# KiCad board NX-J401-Adapter.kicad_pcb
title: NX Adapter Board; date: 2024-08-10; rev: 3; company: 971 Spartan Robotics
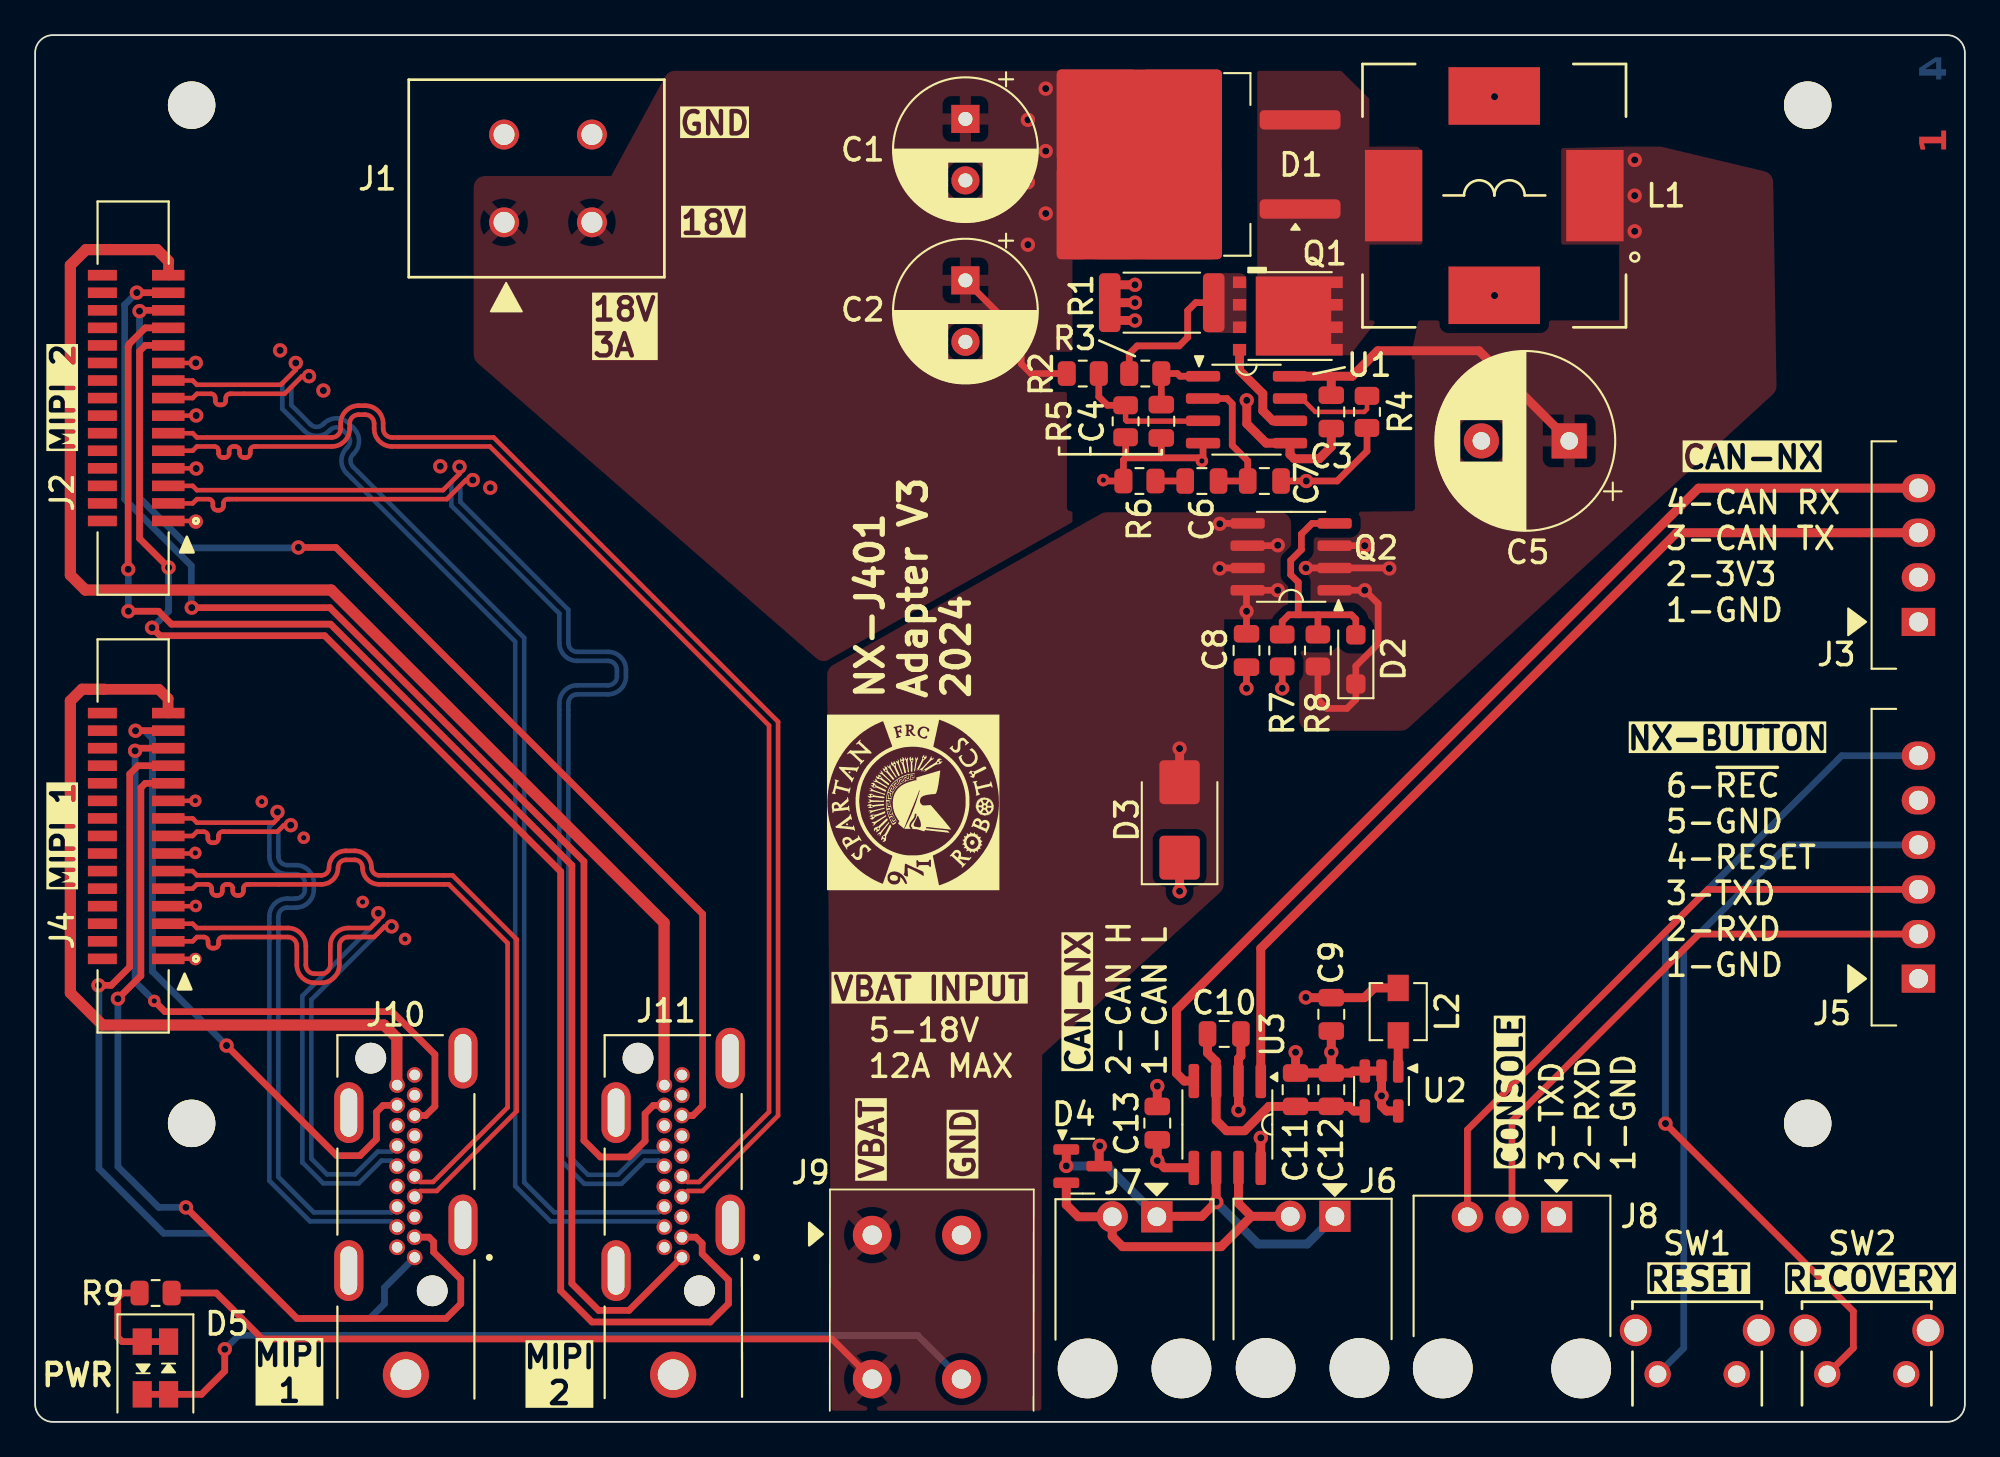
[diagram p0: board, top side]
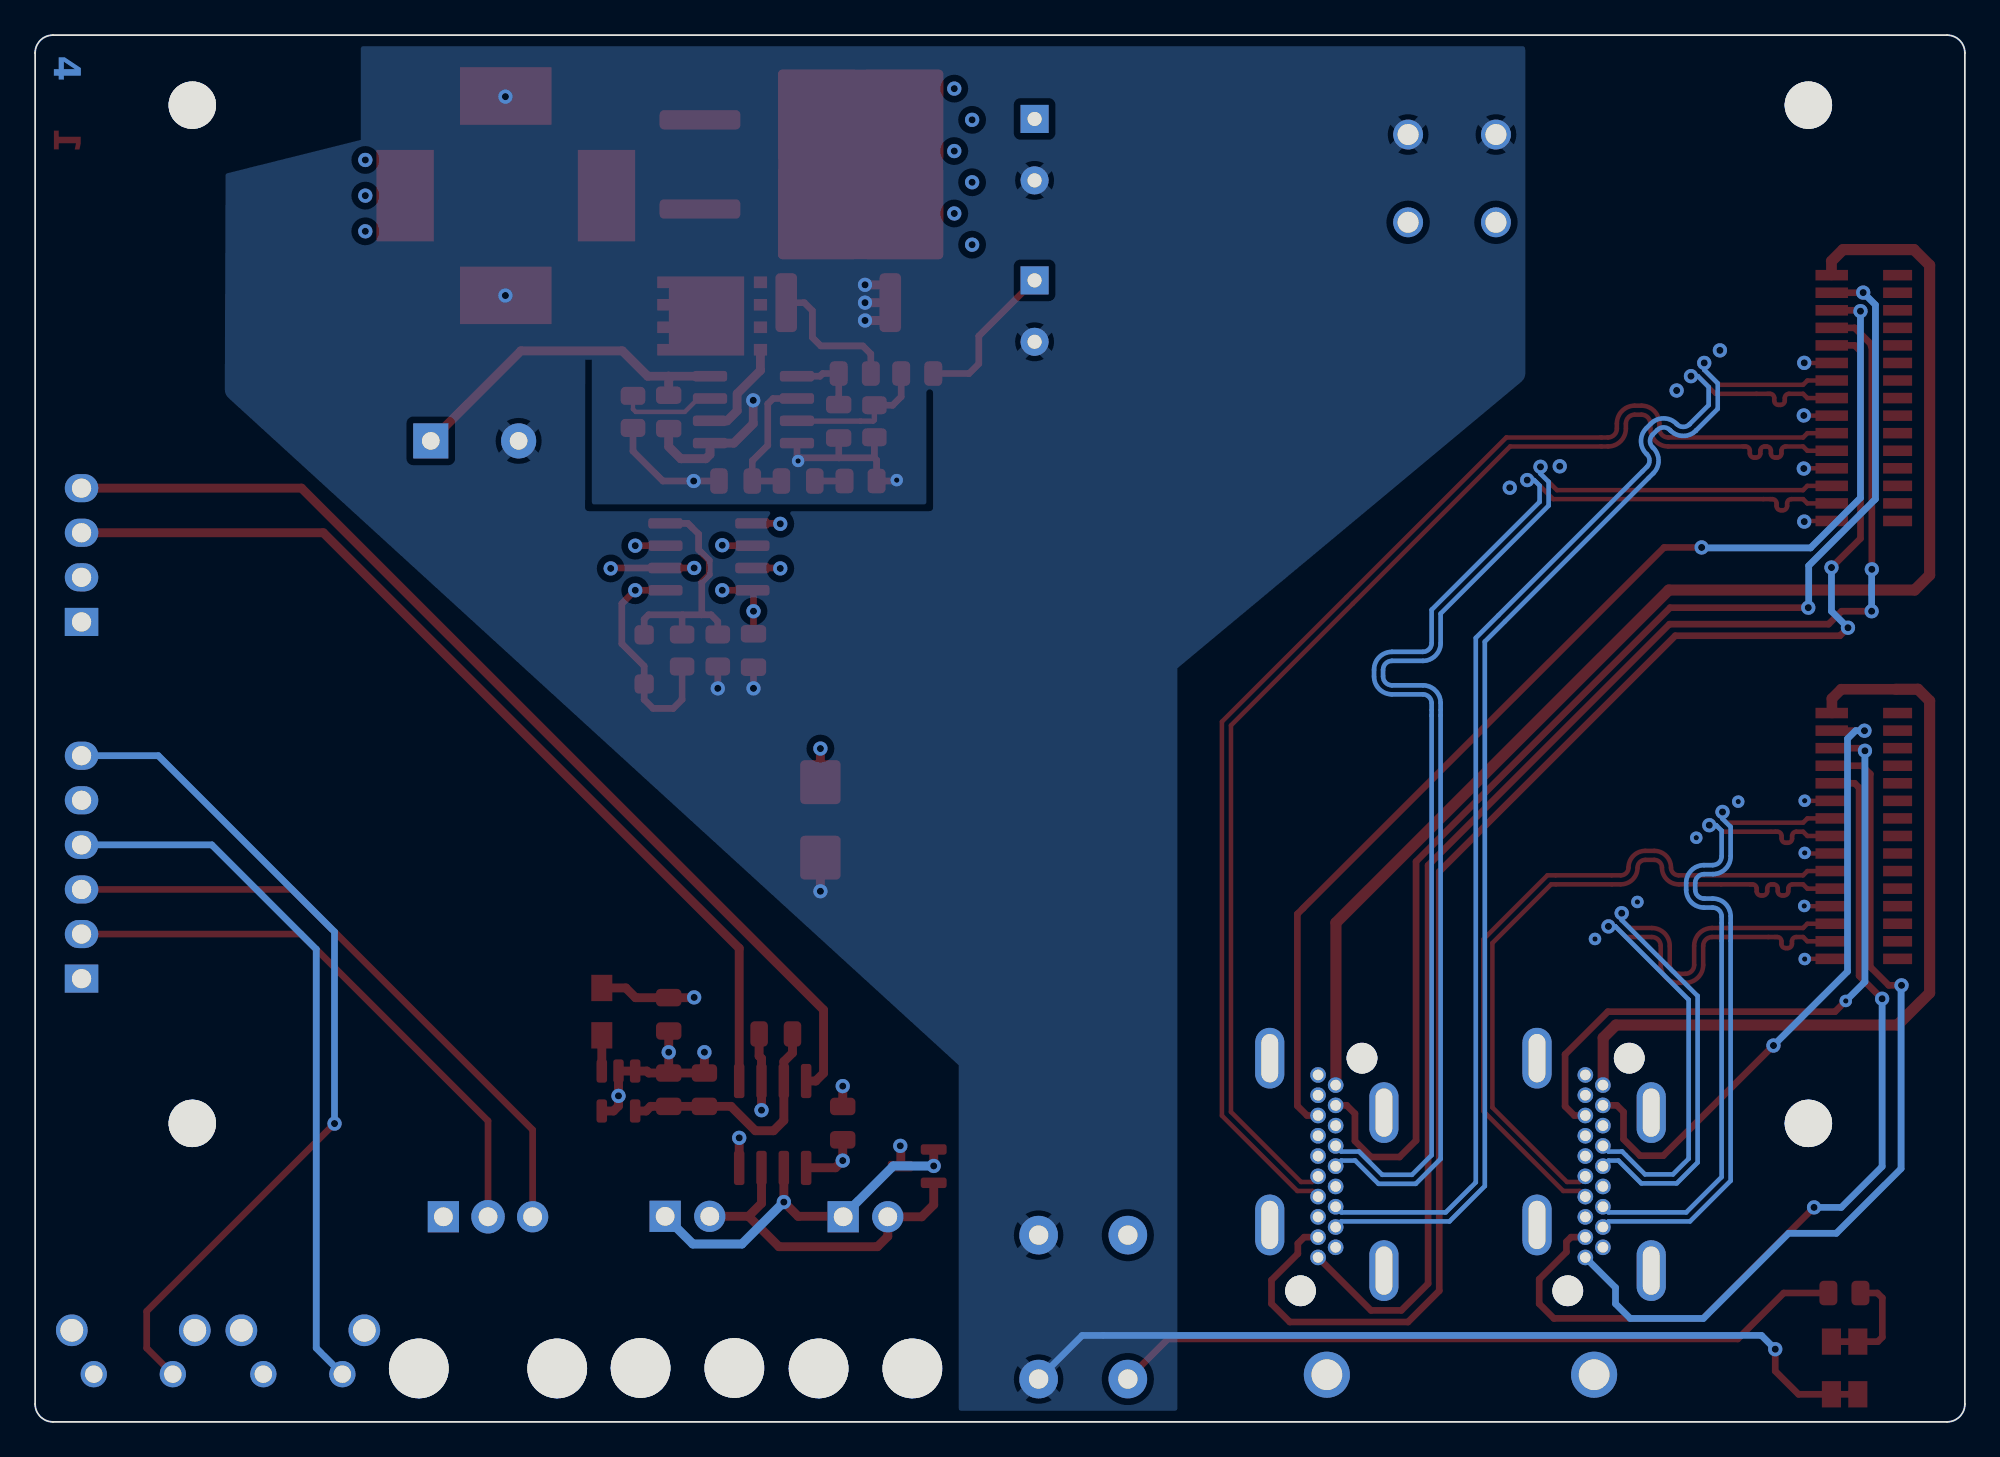
[diagram p1: board, bottom side, seen from below]

Outline 109.86 x 78.99 mm; copper layers: Top, In1.Cu, In2.Cu, Bottom. Coordinates in mm from the lower left corner of the outline.
Outline path: 0,77.98 0,1.02 arc(0.3,0.3) 1.02,0 108.84,0 arc(109.56,0.3) 109.86,1.02 109.86,77.98 arc(109.56,78.7) 108.84,78.99 1.02,78.99 arc(0.3,78.7) 0,77.98
Stack: Top 0.0351mm / dielectric 0.1069mm 3313 er 4.5 / dielectric 0.0993mm 3313 er 1 / In1.Cu 0.0152mm / dielectric 1.065mm 1.1mm H/HOZ er 4.5 / In2.Cu 0.0152mm / dielectric 0.0993mm 3313 er 4.5 / dielectric 0.1069mm 3313 er 1 / Bottom 0.0351mm

## Placement (name value [footprint] x y rotation side)
C1  82uF 35V  [CP_Radial_D8.0mm_P3.50mm]  52.96 74.22 270 top
C2  82uF 35V  [CP_Radial_D8.0mm_P3.50mm]  52.96 65.02 270 top
C3  0.22uF-10%-50V-0805  [C_0805_2012Metric]  73.79 57.53 270 top
C4  10pF-5%-50V-0805  [C_0805_2012Metric]  64.11 57 270 top
C5  330uF 35V  [CP_Radial_D10.0mm_P5.00mm]  87.33 55.88 180 top
C6  0.22uF-10%-50V-0805  [C_0805_2012Metric]  66.42 53.59 180 top
C7  0.01uF-10%-50V-0805  [C_0805_2012Metric]  69.98 53.59 0 top
C8  22uF-20%-25V-0805  [C_0805_2012Metric]  68.96 43.94 270 top
C9  10uF-10%-10V-0805  [C_0805_2012Metric]  73.79 23.22 270 top
C10  0.22uF-10%-50V-0805  [C_0805_2012Metric]  67.69 22.1 0 top
C11  22uF-20%-25V-0805  [C_0805_2012Metric]  71.75 18.92 90 top
C12  22uF-20%-25V-0805  [C_0805_2012Metric]  73.79 18.92 90 top
C13  0.22uF-10%-50V-0805  [C_0805_2012Metric]  63.88 17.02 90 top
D1  STPS20M100SG-TR  [TO-263-2]  64.36 71.63 180 top
D2  15V  [D_SOD-123F]  75.18 43.43 90 top
D3  15V  [D_SMB]  65.15 34.29 90 top
D4  PESD1CAN  [SOT-23]  59.64 14.57 0 top
D5  PWR  [LED-Dialight-5913001858F]  6.85 3.07 90 top
G***  LOGO  [Spartan Logo-FrontSilk]  49.99 35.28 90 top
H1  MountingHole  [MountingHole_2.7mm_M2.5]  8.91 75 0 top
H2  MountingHole  [MountingHole_2.7mm_M2.5]  100.91 75 0 top
H3  MountingHole  [MountingHole_2.7mm_M2.5]  8.91 17 0 top
H4  MountingHole  [MountingHole_2.7mm_M2.5]  100.91 17 0 top
J1  18V_OUT  [CONN_69140872_WRE]  26.7 68.33 90 top
J2  MIPI  [TE_1-1734248-5]  5.55 58.32 90 top
J3  CAN-NX  [70543-0003]  107.21 45.57 270 top
J4  MIPI  [TE_1-1734248-5]  5.55 33.38 90 top
J5  NX-BUTTON  [70543-0005]  107.21 25.25 270 top
J6  CAN-NX  [70555-0001]  72.72 11.71 270 top
J7  CAN-NX  [70555-0001]  62.59 11.68 270 top
J8  CONSOLE  [70555-0002]  84.07 11.68 270 top
J9  Power  [Wurth-691406510002B]  47.65 10.64 0 top
J10  HDMI  [SWITCHCRAFT_RAVHD19ETR]  21.11 10.5 0 top
J11  HDMI  [SWITCHCRAFT_RAVHD19ETR]  36.32 10.5 0 top
L1  4.7 uH-8m-20%  [INDUCTOR_IHLE-5050FH-Vishay]  83.06 69.85 90 top
L2  2.2uH-20%-46mR  [L_Vishay_IHLP-1212]  77.6 23.37 270 top
Q1  CSD16322Q5  [TI-SON5x6]  71.31 62.99 180 top
Q2  SI4483ADY-T1-GE3  [SOIC-8_3.9x4.9mm_P1.27mm]  71.5 49.28 180 top
R1  4.0m-1%-2512  [R_2512_6332Metric]  64.13 63.75 0 top
R2  14.0k-1%-0805  [R_0805_2012Metric]  59.64 59.72 180 top
R3  100R-1%-0805  [R_0805_2012Metric]  63.2 59.72 0 top
R4  59.0k-1%-0805  [R_0805_2012Metric]  75.82 57.53 90 top
R5  1.05k-1%-0805  [R_0805_2012Metric]  62.08 57 90 top
R6  1.05k-1%-0805  [R_0805_2012Metric]  62.87 53.59 0 top
R7  1.05k-1%-0805  [R_0805_2012Metric]  70.99 43.94 90 top
R8  20.0k-1%-0805  [R_0805_2012Metric]  73.02 43.94 270 top  (not fitted)
R9  4.99k-1%-0805  [R_0805_2012Metric]  6.86 7.34 0 top
SW1  RESET  [SW_TL1105VF100Q_EWI]  92.37 2.72 0 top
SW2  RECOVERY  [SW_TL1105VF100Q_EWI]  102.02 2.72 0 top
U1  LM3478MA  [SOIC-8_3.9x4.9mm_P1.27mm]  68.96 57.66 0 top
U2  TPS613222ADBVR  [SOT-23-5]  76.65 18.85 270 top
U3  MCP2558FD-H/SN  [SOIC-8_3.9x4.9mm_P1.27mm]  67.87 16.94 270 top

## Library data of the parts
C1 C2 = -: Datasheet: Components/Panasonic-AAB8000C250.pdf; MFG: Panasonic Electronic Components; MFG P/N: 35SEPF82M; DIST: Digikey; DIST P/N: P16345-ND; ki_fp_filters: CP_*
C3 C6 C10 C13 = -: Datasheet: Components/KEMET_C1002_X7R_SMD.pdf; MFG: KEMET; MFG P/N: C0805C224K5RAC7800; DIST: Digikey; DIST P/N: 399-C0805C224K5RACTUCT-ND; ki_fp_filters: C_*
C4 = -: MFG: Samsung Electro-Mechanics; MFG P/N: CL21C100CBANNNC; DIST: Digikey; DIST P/N: 1276-2561-1-ND; ki_fp_filters: C_*
C5 = -: Datasheet: Components/Rubicon-PZJ.pdf; MFG: Rubycon; MFG P/N: 35PZJ330M10X9; DIST: Digikey; DIST P/N: 1189-35PZJ330M10X9-ND; ki_fp_filters: CP_*
C7 = -: MFG: Samsung Electro-Mechanics; MFG P/N: CL21B103KBANNNC; DIST: Digikey; DIST P/N: 1276-1015-1-ND; ki_fp_filters: C_*
C8 C11 C12 = -: Description: 22 µF ±20% 25V Ceramic Capacitor X5R 0805 (2012 Metric); MFG: Samsung Electro-Mechanics; MFG P/N: CL21A226MAYNNNE; DIST: Digikey; DIST P/N: 1276-CL21A226MAYNNNECT-ND; ki_fp_filters: C_*
C9 = -: Datasheet: Components/Kemet-C0805C106K8PACTU.pdf; MFG: Kemet; MFG P/N: C0805C106K8PAC7800; DIST: Digikey; DIST P/N: 399-C0805C106K8PAC7800CT-ND; ki_fp_filters: C_*
D1 = -: Datasheet: Components/ST-STPS20M100SG.pdf; DIST: Digikey; DIST P/N: 497-10993-1-ND; MFG: STmicroelectronics; ki_fp_filters: TO-???* *_Diode_* *SingleDiode* D_*
D2 = -: Datasheet: Components/Nexperia-BZT52H_SER.pdf; MFG: Nexperia; MFG P/N: BZT52H-C15,115; DIST: Digikey; DIST P/N: 1727-3593-1-ND; ki_fp_filters: TO-???* *_Diode_* *SingleDiode* D_*
D3 = -: Datasheet: Components/Littelfuse-SZ1SMB15CAT3G.pdf; MFG: Littelfuse; MFG P/N: SZ1SMB15CAT3G; DIST: Digikey; DIST P/N: F11544CT-ND; ki_fp_filters: TO-???* *_Diode_* *SingleDiode* D_*
D4 = -: Datasheet: Components/Nexperia-PESD1CAN.pdf; MFG: Nexperia; MFG P/N: PESD1CAN,215; DIST: Digkey; DIST P/N: 1727-3817-1-ND
D5 = -: Datasheet: Components/Dialight-C18340B.pdf; MFG: Dialight; MFG P/N: 5913001858F; DIST: Digikey; DIST P/N: 350-5913001858FCT-ND; ki_fp_filters: LED* LED_SMD:* LED_THT:*
H1-H4 = -: ki_fp_filters: MountingHole*
J1 = -: Datasheet: Components/Wurth-691408720002B.pdf; MFG: Würth Elektronik; MFG P/N: 691408720002B; DIST: Digikey; DIST P/N: 732-691408720002B-ND; ki_fp_filters: Connector*:*_1x??_*
J2 J4 = -: Datasheet: Components/TE-FPC-1734248_E1__.pdf; MFG: TE Connectivity; MFG P/N: 1-1734248-5; DIST: Digikey; DIST P/N: A101418CT-ND; ki_fp_filters: Connector*:*_1x??_*
J3 = -: Datasheet: Components/Molex-705430001_sd.pdf; MFG: Molex; MFG P/N: 70543-0003; DIST: Digikey; DIST P/N: WM4802-ND; ki_fp_filters: Connector*:*_1x??_*
J5 = -: Datasheet: Components/Molex-705430001_sd.pdf; Description: Generic connector, single row, 01x06, script generated; MFG: Molex; MFG P/N: 0705430040; DIST: Digikey; DIST P/N: WM4828-ND; ki_fp_filters: Connector*:*_1x??_*
J6 J7 = -: Datasheet: Components/Molex-70555-0001.pdf; MFG: Molex; MFG P/N: 0705550036; DIST: Digikey; DIST P/N: WM4175-ND; ki_fp_filters: Connector*:*_1x??_*
J8 = -: Datasheet: Components/Molex-70555-0001.pdf; Description: Generic connector, single row, 01x03, script generated; MFG: Molex; MFG P/N: 0705550037; DIST: Digikey; DIST P/N: WM4176-ND; ki_fp_filters: Connector*:*_1x??_*
J9 = -: Datasheet: Components/Wurth-0691406510002B.pdf; MFG: Wurth; MFG P/N: 691406510002B; DIST: Digikey; DIST P/N: 732-691406510002B-ND; ki_fp_filters: Connector*:*_1x??_*
J10 J11 = -: Datasheet: Components/Switchcraft-RAVHD19ETR_CD.pdf; Description: HDMI HDMI 2.0 Receptacle Connector 19 Position Through Hole, Right Angle; DIST: Digikey; DIST P/N: 137-RAVHD19ECT-ND; MFG: Switchcraft; MFG P/N: RAVHD19ETR; ki_fp_filters: HDMI*A*
L1 = -: Datasheet: Components/Vishay-ihle-5050fh-5a.pdf; Description: 4.7 µH Shielded Inductor 18.5 A 7.93mOhm Max; MFG: Vishay Dale; MFG P/N: IHLE5050FHER4R7M5A; DIST: Mouser; DIST P/N: 70-IHLE5050FHR4R7M5A; ki_fp_filters: Choke_* *Coil* Inductor_* L_*
L2 = -: Datasheet: Components/Vishay-IHLP1212BZER2R2M11.pdf; MFG: Vishay; MFG P/N: IHLP1212BZER2R2M11; DIST: Digikey; DIST P/N: 541-1322-1-ND; ki_fp_filters: Choke_* *Coil* Inductor_* L_*
Q1 = -: Datasheet: Components/TI-csd16322q5.pdf; Description: N-Channel 25 V 21A (Ta), 97A (Tc) 3.1W (Ta) Surface Mount 8-VSON-CLIP (5x6); MFG: Texas Instruments; DIST: Digikey; DIST P/N: 296-25112-1-ND
Q2 = -: Datasheet: Components/Vishay-si4483ad.pdf; MFG: Vishay; DIST: Digikey; DIST P/N: SI4483ADY-T1-GE3CT-ND
R1 = -: Datasheet: Components/Bourns-cre.pdf; MFG: Bourns Inc.; MFG P/N: CRE2512-FZ-R004E-3; DIST: Digikey; DIST P/N: CRE2512-FZ-R004E-3CT-ND; ki_fp_filters: R_*
R2 = -: Datasheet: Components/YageoPYu-RC_Group_51_RoHS_L_12.pdf; MFG: Yageo; MFG P/N: RC0805FR-0714KL; DIST: Digikey; DIST P/N: 311-14.0KCRCT-ND; ki_fp_filters: R_*
R3 = -: Datasheet: Components/YageoPYu-RC_Group_51_RoHS_L_12.pdf; MFG: Yageo; MFG P/N: RC0805FR-07100RL; DIST: Digikey; DIST P/N: 311-100CRCT-ND; ki_fp_filters: R_*
R4 = -: Datasheet: Components/YageoPYu-RC_Group_51_RoHS_L_12.pdf; MFG: Yageo; MFG P/N: RC0805FR-0759KL; DIST: Digikey; DIST P/N: 311-59.0KCRCT-ND; ki_fp_filters: R_*
R5-R7 = -: Datasheet: Components/YageoPYu-RC_Group_51_RoHS_L_12.pdf; MFG: Yageo; MFG P/N: RC0805FR-071K05L; DIST: Digikey; DIST P/N: 311-1.05KCRCT-ND; ki_fp_filters: R_*
R8 = -: Datasheet: Components/YageoPYu-RC_Group_51_RoHS_L_12.pdf; MFG: Yageo; MFG P/N: RC0805FR-0720KL; DIST: Digikey; DIST P/N: 311-20.0KCRCT-ND; ki_fp_filters: R_*
R9 = -: Datasheet: Components/YageoPYu-RC_Group_51_RoHS_L_12.pdf; MFG: Yageo; MFG P/N: RC0805FR-07499RL; DIST: Digikey; DIST P/N: 311-499CRCT-ND; ki_fp_filters: R_*
SW1 SW2 = -: Datasheet: Components/E-SWITCH-tl1105vf100q-drawing.pdf; DIST: Digikey; DIST P/N: EG2507-ND; MFG: E-Switch; MFG P/N: TL1105VF100Q
U1 = -: Datasheet: Components/TI-lm3478.pdf; MFG: Texas Instruments; MFG P/N: LM3478MAX/NOPB; DIST: Digikey; DIST P/N: 296-38111-1-ND; ki_fp_filters: SOIC-8*3.9x4.9mm_P1.27mm*
U2 = -: Datasheet: Components/TI-tps613222.pdf; MFG: Texas Instruments; DIST: Digikey; DIST P/N: 296-50503-1-ND
U3 = -: Datasheet: Components/Microchip-MCP2558.pdf; MFG: Microchip; DIST: Digikey; DIST P/N: MCP2558FD-H/SN-ND; ki_fp_filters: SOIC*3.9x4.9mm*P1.27mm*

## Footprints (pads in the part's own frame, mm; a bottom-side part is the same pattern mirrored in y, then rotated)
70543-0003
  rect 1.6x1.905 hole 1.092: 1(0,0)
  oval 1.6x1.905 hole 1.092: 2(-2.54,0) 3(-5.08,0) 4(-7.62,0)
70543-0005
  rect 1.6x1.905 hole 1.092: 1(0,0)
  oval 1.6x1.905 hole 1.092: 2(-2.54,0) 3(-5.08,0) 4(-7.62,0) 5(-10.16,0) 6(-12.7,0)
70555-0001
  round 3.4 hole 3.4 unplated: (8.64,2.67) (8.64,-2.67)
  rect 1.778x1.778 hole 1.067: 1(0,1.27)
  round 1.778 hole 1.067: 2(0,-1.27)
70555-0002
  round 3.4 hole 3.4 unplated: (8.64,3.94) (8.64,-3.94)
  rect 1.778x1.778 hole 1.067: 1(0,2.54)
  round 1.905 hole 1.067: 2(0,0)
  round 1.778 hole 1.067: 3(0,-2.54)
C_0805_2012Metric
  rrect 1x1.45 smd: 1(-0.95,0) 2(0.95,0)
CONN_69140872_WRE
  round 1.702 hole 1.194: 1(0,0) 1(0,-5) 2(5,0) 2(5,-5)
CP_Radial_D8.0mm_P3.50mm
  rect 1.6x1.6 hole 0.8: 1(0,0)
  round 1.6 hole 0.8: 2(3.5,0)
CP_Radial_D10.0mm_P5.00mm
  rect 2x2 hole 1: 1(0,0)
  round 2 hole 1: 2(5,0)
D_SMB
  rrect 2.5x2.3 smd: 1(-2.15,0) 2(2.15,0)
D_SOD-123F
  rrect 1.1x1.1 smd: 1(-1.4,0) 2(1.4,0)
INDUCTOR_IHLE-5050FH-Vishay
  rect 5.21x3.265 smd: 1(0,-5.732) 2(0,5.732)
  rect 3.275x5.21 smd: 3(-5.678,0) 4(5.678,0)
L_Vishay_IHLP-1212
  rect 1.5x1.2 smd: 1(-1.35,0) 2(1.35,0)
LED-Dialight-5913001858F
  rect 1.5x1.09 smd: 1(1.5,-0.75) 2(-1.5,-0.75) 3(1.5,0.75) 4(-1.5,0.75)
MountingHole_2.7mm_M2.5
  round 2.7 hole 2.7 unplated: (0,0)
R_0805_2012Metric
  rrect 1.025x1.4 smd: 1(-0.912,0) 2(0.912,0)
R_2512_6332Metric
  rrect 1.225x3.35 smd: 1(-2.962,0) 2(2.962,0)
SOIC-8_3.9x4.9mm_P1.27mm
  rrect 1.95x0.6 smd: 1(-2.475,1.905) 2(-2.475,0.635) 3(-2.475,-0.635) 4(-2.475,-1.905) 5(2.475,-1.905) 6(2.475,-0.635) 7(2.475,0.635) 8(2.475,1.905)
SOT-23
  rrect 1.475x0.6 smd: 1(-0.938,0.95) 2(-0.938,-0.95) 3(0.938,0)
SOT-23-5
  rrect 1.325x0.6 smd: 1(-1.137,0.95) 2(-1.137,0) 3(-1.137,-0.95) 4(1.137,-0.95) 5(1.137,0.95)
SW_TL1105VF100Q_EWI
  round 1.499 hole 0.991: 1(0,0) 2(4.5,0)
  round 1.803 hole 1.295: 3(-1.25,2.5) 4(5.75,2.5)
SWITCHCRAFT_RAVHD19ETR
  round 1.75 hole 1.75 unplated: (-2,10.22) (1.5,-3.03)
  round 0.889 hole 0.6: 1(0.5,-1.13) 2(-0.5,-0.552) 3(0.5,0.025) 4(-0.5,0.603) 5(0.5,1.18) 6(-0.5,1.758) 7(0.5,2.335) 8(-0.5,2.913) 9(0.5,3.49) 10(-0.5,4.067) 11(0.5,4.645) 12(-0.5,5.223) 13(0.5,5.8) 14(-0.5,6.378) 15(0.5,6.955) 16(-0.5,7.532) 17(0.5,8.11) 18(-0.5,8.688) 19(0.5,9.265)
  oval 1.66x3.46 hole 0.95x2.75: SH(-3.25,7.12) SH(-3.25,-1.88) SH(3.25,10.22) SH(3.25,0.72)
  round 2.625 hole 1.75: SH(0,-7.81)
TE_1-1734248-5
  rect 0.6x1.85 smd: 1(-7,-2.025) 2(-6,-2.025) 3(-5,-2.025) 4(-4,-2.025) 5(-3,-2.025) 6(-2,-2.025) 7(-1,-2.025) 8(0,-2.025) 9(1,-2.025) 10(2,-2.025) 11(3,-2.025) 12(4,-2.025) 13(5,-2.025) 14(6,-2.025) 15(7,-2.025)
  rect 0.6x1.65 smd: 1_1(-7,1.725) 2_1(-6,1.725) 3_1(-5,1.725) 4_1(-4,1.725) 5_1(-3,1.725) 6_1(-2,1.725) 7_1(-1,1.725) 8_1(0,1.725) 9_1(1,1.725) 10_1(2,1.725) 11_1(3,1.725) 12_1(4,1.725) 13_1(5,1.725) 14_1(6,1.725) 15_1(7,1.725)
TI-SON5x6
  rect 0.75x0.66 smd: 1(2.75,-1.92) 2(2.75,-0.64) 3(2.75,0.64) 4(2.75,1.92)
  custom 4.95x4.5 smd: 5(-0.32,0)
TO-263-2
  rrect 4.6x1.1 smd: 1(-7.65,2.54) 3(-7.65,-2.54)
  rrect 4.55x5.25 smd: 2(-0.925,2.775) 2(-0.925,-2.775) 2(3.925,2.775) 2(3.925,-2.775)
  rrect 9.4x10.8 smd: 2(1.5,0)
Wurth-691406510002B
  round 2.2 hole 1.1: 1(0,0) 1(0,-8.2) 2(5.08,0) 2(5.08,-8.2)

## Nets
/3V3_CAN: C9.1 C13.1 J3.2 L2.1 U3.5
/+18V_OUT: C1.1 C2.1 D1.2 J1.1 R2.2
/MIPI-HDMI-1/GND_MIPI: J4.1 J4.4 J4.7 J4.10 J10.2 J10.5 J10.8 J10.11 J10.17 J10.SH
/MIPI-HDMI-2/GND_MIPI: J2.1 J2.4 J2.7 J2.10 J11.2 J11.5 J11.8 J11.11 J11.17 J11.SH
/NX CAN/+5V: C10.1 C11.1 C12.1 U2.4 U3.3
GND: C1.2 C2.2 C3.2 C4.2 C5.2 C7.2 C8.2 D3.1 D5.2 D5.4 J1.2 J9.2 L1.3 L1.4 R1.1 R4.1 R5.1 R6.1 R7.1 U1.4 U1.5
GNDD: C9.2 C10.2 C11.2 C12.2 C13.2 D4.3 J3.1 U2.2 U2.3 U2.5 U3.2 U3.8
/CAN_H: D4.2 J6.2 J7.2 U3.7
/CAN_L: D4.1 J6.1 J7.1 U3.6
/CAN_RX: J3.4 U3.4
/CAN_TX: J3.3 U3.1
/MIPI-HDMI-1/CAM_3V3: J4.15 J10.18
/MIPI-HDMI-1/CAM_CK_N: J4.8 J10.6
/MIPI-HDMI-1/CAM_CK_P: J4.9 J10.4
/MIPI-HDMI-1/CAM_D0_N: J4.2 J10.12
/MIPI-HDMI-1/CAM_D0_P: J4.3 J10.10
/MIPI-HDMI-1/CAM_D1_N: J4.5 J10.9
/MIPI-HDMI-1/CAM_D1_P: J4.6 J10.7
/MIPI-HDMI-1/CAM_MCLK: J4.12 J10.1
/MIPI-HDMI-1/CAM_SCL: J4.13 J10.15
/MIPI-HDMI-1/CAM_SDA: J4.14 J10.16
/MIPI-HDMI-1/PWR_DN_LS: J4.11 J10.3
/MIPI-HDMI-2/CAM_3V3: J2.15 J11.18
/MIPI-HDMI-2/CAM_CK_N: J2.8 J11.6
/MIPI-HDMI-2/CAM_CK_P: J2.9 J11.4
/MIPI-HDMI-2/CAM_D0_N: J2.2 J11.12
/MIPI-HDMI-2/CAM_D0_P: J2.3 J11.10
/MIPI-HDMI-2/CAM_D1_N: J2.5 J11.9
/MIPI-HDMI-2/CAM_D1_P: J2.6 J11.7
/MIPI-HDMI-2/CAM_MCLK: J2.12 J11.1
/MIPI-HDMI-2/CAM_SCL: J2.13 J11.15
/MIPI-HDMI-2/CAM_SDA: J2.14 J11.16
/MIPI-HDMI-2/PWR_DN_LS: J2.11 J11.3
/Power Supply/Q_S: Q1.1 Q1.2 Q1.3 R1.2 R3.1
/Power Supply/SW: D1.1 D1.3 L1.2 Q1.5
/Power Supply/V_IN: C3.1 C5.1 D2.1 L1.1 Q2.1 Q2.2 Q2.3 R8.2 U1.8
/RTN: J5.1 J5.5 J8.1 SW1.2 SW2.2
/UART2_RXD: J5.2 J8.2
/UART2_TXD: J5.3 J8.3
/V_BAT: C8.1 D3.2 J9.1 Q2.5 Q2.6 Q2.7 Q2.8 R9.2
/~{REC}: J5.6 SW2.1
/~{SYS_RESET}: J5.4 SW1.1
Net-(C6-Pad2): C6.2 R6.2
Net-(D2-A): D2.2 Q2.4 R7.2 R8.1
Net-(D5A-Red-K): D5.1 D5.3 R9.1
Net-(Q1-G): Q1.4 U1.6
Net-(U1-COMP): C6.1 C7.1 U1.2
Net-(U1-FA/SD): R4.2 U1.7
Net-(U1-FB): R2.1 R5.2 U1.3
Net-(U1-I_{SEN}): C4.1 R3.2 U1.1
Net-(U2-SW): L2.2 U2.1

Pads without a net: J2 1_1 2_1 3_1 4_1 5_1 6_1 7_1 8_1 9_1 10_1 11_1 12_1 13_1 14_1 15_1; J4 1_1 2_1 3_1 4_1 5_1 6_1 7_1 8_1 9_1 10_1 11_1 12_1 13_1 14_1 15_1; J10 13 14 19; J11 13 14 19; SW1 3 4; SW2 3 4

## Via types
v1: diameter 0.813, hole 0.406, Top to Bottom, 72 vias
v2: diameter 0.711, hole 0.305, Top to Bottom, 11 vias

## Routing (per net, layer and track width the routed paths; a pad name or vN(x,y) marks a point on that pad's centre or on a via; arc(x,y) is an arc through that point)
/3V3_CAN: length 8.9
  Top w0.508: C13.1 v1(63.88,14.88) 64.29,14.48 65.95,14.48 U3.5 ; v1(72.34,24.18) 72.35,24.17 C9.1 75.68,24.17 76.23,24.72 L2.1
/+18V_OUT: length 8.9
  Top w0.381: C2.1 56.13,61.85 56.13,60.27 56.69,59.72 R2.2
  vias: v1(56.51,74.17) v1(56.51,70.61) v1(56.51,67.06) v1(57.53,75.95) v1(57.53,72.39) v1(57.53,68.83)
/MIPI-HDMI-1/GND_MIPI: length 6.2
  Top w0.254: J4.10 9.11,35.38 v2(9.12,35.38) ; J4.1 9.11,26.38 v2(9.12,26.37) ; J4.4 9.13,29.38 v2(9.14,29.39) ; J4.7 9.08,32.38 v2(9.12,32.41)
  vias: v2(12.9,35.33) v2(15.29,33.27) v2(18.64,29.62) v2(21.06,27.51)
/MIPI-HDMI-2/GND_MIPI: length 6.3
  Top w0.254: J2.4 9.16,54.32 v1(9.17,54.31) ; J2.1 9.11,51.32 v1(9.14,51.28) ; J2.7 9.16,57.32 v1(9.17,57.33) ; J2.10 9.14,60.32 v1(9.14,60.32)
  vias: v1(13.94,61.04) v1(16.41,58.75) v1(23.06,54.43) v1(25.91,53.21)
/NX CAN/+5V: length 14.5
  Top w0.508: C10.1 66.74,21.02 67.23,20.52 U3.3 67.23,17.17 67.82,16.59 68.85,16.59 70.24,17.97 74.81,17.97 75.08,17.71 U2.4
GND: length 86.4
  Top w0.254: 61.17,64.35 R1.1 61.17,63.16 61.59,62.74 ; 61.17,64.35 61.34,64.52 ; 61.17,64.35 61.59,64.77
  Top w0.381: 64.11,54.91 66.24,54.91 v2(66.42,54.74) ; 64.11,54.91 C4.2 ; 64.11,54.91 62.08,54.91 ; C7.2 v1(72.36,53.59) 74.12,53.59 75.82,55.3 R4.1 ; R7.1 v1(70.99,41.78) ; R5.1 62.08,54.91 ; 62.08,54.91 61.95,54.79 R6.1 60.86,53.59 v2(60.81,53.64) ; C8.2 v1(68.96,41.78) ; U1.4 66.49,54.8 v2(66.42,54.74) ; v2(66.42,54.74) 66.42,54.91 ; D5.4 D5.2 9.47,1.57 10.79,2.9 v1(10.79,4.14)
  Top w0.508: v1(68.97,58.19) 68.97,56.86 70.08,55.75 U1.5 71.44,55.11 71.68,54.86 73.1,54.86 73.79,55.55 C3.2 ; 61.59,64.77 v1(62.61,64.77) ; R1.1 v1(62.61,63.75) ; 61.59,62.74 v1(62.61,62.74) ; D3.1 v1(65.15,30.23)
  Top w0.762: v1(83.08,64.16) 83.07,64.17 L1.3 ; v1(83.08,75.49) 83.06,75.51 L1.4
  Bottom w0.381: J9.2 50.24,4.93 11.58,4.93 v1(10.79,4.14)
GNDD: length 20
  Top w0.508: v1(71.75,21.06) C11.2 C12.2 ; C12.2 v1(73.79,21.06) C9.2 ; C12.2 74.92,19.87 75.03,19.98 U2.3 U2.2 v1(76.65,18.57) 76.65,17.99 76.93,17.71 U2.5 ; D4.3 60.58,15.69 v1(60.6,15.72) ; C13.2 v1(63.88,19.13) ; v1(68.5,17.75) U3.2 68.5,20.7 68.64,20.84 C10.2 ; U3.8 v1(69.77,16.18)
/CAN_H: length 19.4
  Top w0.508: 69.24,11.71 J6.2 ; 69.24,11.71 68.5,12.45 U3.7 ; 69.24,11.71 67.51,9.98 61.9,9.98 61.32,10.57 J7.2 59.39,11.68 58.7,12.37 D4.2
/CAN_L: length 21.3
  Top w0.508: v1(58.7,14.58) D4.1 ; U3.6 v1(67.23,12.52) 66.42,11.71 63.87,11.71
  Bottom w0.508: v1(58.7,14.58) 61,14.58 63.87,11.71 ; v1(67.23,12.52) 69.62,10.13 72.42,10.13 J6.1
/CAN_RX: length 59.3
  Top w0.508: U3.4 65.42,19.42 64.97,19.86 64.97,23.47 94.69,53.19 J3.4
/CAN_TX: length 54.8
  Top w0.508: J3.3 93.45,50.65 69.77,26.97 U3.1
/MIPI-HDMI-1/CAM_3V3: length 45.9
  Top w0.381: 7.52,40.44 J4.15
  Top w0.61: 7.57,40.39 7.57,41.2 7.04,41.73 3.94,41.73
  Top w0.635: 3.94,41.73 2.67,41.73 2.01,41.07 2.01,24.43 3.84,22.61 19.86,22.61 20.59,21.88 20.59,19.2 J10.18
/MIPI-HDMI-1/CAM_CK_N: length 39.1
  Top w0.26: J4.8 8.97,33.38 9.21,33.62 9.6,33.62 arc(9.76,33.55) 9.84,33.38 9.84,33.23 arc(9.91,33.06) 10.08,32.99 10.2,32.99 arc(10.36,33.06) 10.44,33.23 10.44,33.38 arc(10.51,33.55) 10.68,33.62 13.79,33.62 14.16,33.99 v1(14.55,33.99)
  Bottom w0.26: v1(14.55,33.99) 14.16,33.99 13.85,33.68 13.85,32.22 arc(13.99,31.86) 14.35,31.71 14.85,31.71 arc(15.57,31.42) 15.87,30.7 15.87,30.31 arc(15.57,29.59) 14.85,29.3 14.35,29.3 arc(13.99,29.15) 13.85,28.79 13.85,13.95 15.86,11.93 20.29,11.93 J10.6
/MIPI-HDMI-1/CAM_CK_P: length 39.1
  Top w0.26: v1(13.8,34.74) 13.8,34.35 13.58,34.13 9.21,34.13 8.97,34.38 J4.9
  Bottom w0.26: v1(13.8,34.74) 13.8,34.35 13.33,33.89 13.33,32.22 arc(13.63,31.5) 14.35,31.2 14.85,31.2 arc(15.2,31.05) 15.35,30.7 15.35,30.31 arc(15.2,29.96) 14.85,29.81 14.35,29.81 arc(13.63,29.51) 13.33,28.79 13.33,13.74 15.65,11.42 20.29,11.42 J10.4
/MIPI-HDMI-1/CAM_D0_N: length 39.1
  Top w0.26: J4.2 8.97,27.38 9.21,27.62 9.6,27.62 arc(9.77,27.55) 9.84,27.38 9.84,27.23 arc(9.91,27.06) 10.08,26.99 10.2,26.99 arc(10.37,27.06) 10.44,27.23 10.44,27.38 arc(10.51,27.55) 10.68,27.62 14.39,27.62 arc(14.75,27.47) 14.9,27.11 14.9,26.03 arc(15.2,25.31) 15.92,25.01 16.3,25.01 arc(17.02,25.31) 17.32,26.03 17.32,27.11 arc(17.46,27.47) 17.82,27.62 19.3,27.62 19.9,28.22 v1(20.29,28.22)
  Bottom w0.26: J10.12 20.29,15.4 19.51,15.4 18.21,14.1 16.62,14.1 15.73,14.99 15.73,24.05 19.9,28.22 v1(20.29,28.22)
/MIPI-HDMI-1/CAM_D0_P: length 39.1
  Top w0.26: J4.3 8.97,28.38 9.21,28.13 14.39,28.13 arc(15.11,27.83) 15.41,27.11 15.41,26.03 arc(15.56,25.67) 15.92,25.52 16.3,25.52 arc(16.65,25.67) 16.8,26.03 16.8,27.11 arc(17.1,27.83) 17.82,28.13 19.08,28.13 19.54,28.59 v1(19.54,28.98)
  Bottom w0.26: v1(19.54,28.98) 19.54,28.59 15.21,24.26 15.21,14.78 16.4,13.59 18.42,13.59 19.72,14.89 20.29,14.89 J10.10
/MIPI-HDMI-1/CAM_D1_N: length 40.6
  Top w0.26: J4.5 8.97,30.38 9.21,30.62 9.81,30.62 arc(9.98,30.55) 10.05,30.38 10.05,30.23 arc(10.12,30.06) 10.29,29.99 10.41,29.99 arc(10.58,30.06) 10.65,30.23 10.65,30.38 arc(10.72,30.55) 10.89,30.62 11.01,30.62 arc(11.18,30.55) 11.25,30.38 11.25,30.23 arc(11.32,30.06) 11.49,29.99 11.61,29.99 arc(11.78,30.06) 11.85,30.23 11.85,30.38 arc(11.92,30.55) 12.09,30.62 16.29,30.62 arc(16.96,30.9) 17.24,31.57 arc(17.37,31.88) 17.68,32.01 18.2,32.01 arc(18.51,31.88) 18.64,31.57 arc(18.91,30.9) 19.59,30.62 23.55,30.62 26.9,27.27 26.9,17.91 22.65,13.67 21.93,13.67 J10.9
/MIPI-HDMI-1/CAM_D1_P: length 40.6
  Top w0.26: J10.7 21.93,13.15 22.86,13.15 27.41,17.7 27.41,27.49 23.76,31.13 19.59,31.13 arc(19.28,31.26) 19.15,31.57 arc(18.87,32.25) 18.2,32.53 17.68,32.53 arc(17.01,32.25) 16.73,31.57 arc(16.6,31.26) 16.29,31.13 9.21,31.13 8.97,31.38 J4.6
/MIPI-HDMI-1/CAM_MCLK: length 49.5
  Top w0.381: v1(3.61,24.87) 4.33,24.87 5.38,25.92 5.38,36.91 5.85,37.38 J4.12
  Bottom w0.381: J10.1 19.89,7.65 19.89,6.73 19.05,5.89 14.88,5.89 10.03,10.74 7.32,10.74 3.63,14.43 3.63,24.84 v1(3.61,24.87)
/MIPI-HDMI-1/CAM_SCL: length 38.2
  Top w0.381: v2(6.78,23.98) 7.39,23.37 20.32,23.37 22.76,20.93 22.76,17.98 22.23,17.45 J10.15 ; J4.13 5.84,38.38 v1(5.69,38.23)
  Bottom w0.381: v1(5.69,38.23) 5.69,25.07 v2(6.78,23.98)
/MIPI-HDMI-1/CAM_SDA: length 36.6
  Top w0.381: v1(5.72,39.37) 5.72,39.38 J4.14 ; J10.16 19.81,18.03 19.43,17.65 19.43,16.1 18.49,15.16 17.17,15.16 v1(10.9,21.44)
  Bottom w0.381: v1(10.9,21.44) 6.68,25.65 6.68,38.91 6.22,39.37 v1(5.72,39.37)
/MIPI-HDMI-1/PWR_DN_LS: length 52.6
  Top w0.381: J4.11 6.27,36.38 6.02,36.12 6.02,25.41 v1(4.71,24.1) ; J10.3 22.42,10.52 22.68,10.26 22.68,9.68 24.23,8.13 24.23,6.73 23.39,5.89 14.91,5.89 v1(8.59,12.22)
  Bottom w0.381: v1(4.71,24.1) 4.71,14.54 7.04,12.22 v1(8.59,12.22)
/MIPI-HDMI-2/CAM_3V3: length 75.9
  Top w0.61: 7.59,66.12 7.59,65.33
  Top w0.635: 7.59,66.12 6.93,66.78 2.9,66.78 2.01,65.89 2.01,48.23 2.86,47.38 16.85,47.38 35.8,28.43 35.8,19.2 J11.18
/MIPI-HDMI-2/CAM_CK_N: length 72.1
  Top w0.26: J2.8 8.97,58.32 9.21,58.56 10.01,58.56 arc(10.18,58.49) 10.25,58.32 10.25,58.17 arc(10.32,58) 10.49,57.93 10.61,57.93 arc(10.78,58) 10.85,58.17 10.85,58.32 arc(10.92,58.49) 11.09,58.56 14.2,58.56 15.2,59.57 v1(15.59,59.57)
  Bottom w0.26: J11.6 35.5,11.93 29.55,11.93 27.84,13.64 27.84,44.66 18.1,54.4 arc(17.95,54.76) 18.1,55.11 18.14,55.16 arc(18.44,55.88) 18.14,56.6 17.87,56.87 arc(17.15,57.16) 16.43,56.87 16.39,56.82 arc(16.03,56.68) 15.67,56.82 14.58,57.92 14.58,58.95 15.2,59.57 v1(15.59,59.57)
/MIPI-HDMI-2/CAM_CK_P: length 72.1
  Top w0.26: J2.9 8.97,59.32 9.21,59.08 13.98,59.08 14.84,59.93 v1(14.84,60.32)
  Bottom w0.26: J11.4 35.5,11.42 29.34,11.42 27.33,13.43 27.33,44.45 17.74,54.04 arc(17.44,54.76) 17.74,55.48 17.78,55.52 arc(17.92,55.88) 17.78,56.23 17.51,56.5 arc(17.15,56.65) 16.79,56.5 16.75,56.46 arc(16.03,56.16) 15.31,56.46 14.07,57.7 14.07,59.16 14.84,59.93 v1(14.84,60.32)
/MIPI-HDMI-2/CAM_D0_N: length 72.1
  Top w0.26: v1(24.91,53.65) 24.52,53.65 23.44,52.56 10.96,52.56 arc(10.79,52.49) 10.72,52.32 10.72,52.17 arc(10.65,52) 10.48,51.93 10.36,51.93 arc(10.19,52) 10.12,52.17 10.12,52.32 arc(10.05,52.49) 9.88,52.56 9.21,52.56 8.97,52.32 J2.2
  Bottom w0.26: J11.12 35.5,15.4 34.49,15.4 33.17,14.07 31.48,14.07 30.36,15.19 30.36,40.94 arc(30.5,41.3) 30.86,41.44 32.62,41.44 arc(33.34,41.74) 33.63,42.46 33.63,42.84 arc(33.34,43.56) 32.62,43.86 30.86,43.86 arc(30.5,44.01) 30.36,44.37 30.36,46.26 24.21,52.4 24.21,53.34 24.52,53.65 v1(24.91,53.65)
/MIPI-HDMI-2/CAM_D0_P: length 72.1
  Top w0.26: v1(24.16,54.4) 24.16,54.01 23.22,53.08 9.21,53.08 8.97,53.32 J2.3
  Bottom w0.26: v1(24.16,54.4) 24.16,54.01 23.7,53.55 23.7,52.19 29.84,46.05 29.84,44.37 arc(30.14,43.65) 30.86,43.35 32.62,43.35 arc(32.97,43.2) 33.12,42.84 33.12,42.46 arc(32.97,42.11) 32.62,41.96 30.86,41.96 arc(30.14,41.66) 29.84,40.94 29.84,14.98 31.26,13.56 33.38,13.56 34.71,14.89 35.5,14.89 J11.10
/MIPI-HDMI-2/CAM_D1_N: length 73.7
  Top w0.26: J2.5 8.97,55.32 9.21,55.56 10.2,55.56 arc(10.37,55.49) 10.44,55.32 10.44,55.17 arc(10.51,55) 10.68,54.93 10.8,54.93 arc(10.97,55) 11.04,55.17 11.04,55.32 arc(11.11,55.49) 11.28,55.56 11.4,55.56 arc(11.57,55.49) 11.64,55.32 11.64,55.17 arc(11.71,55) 11.88,54.93 12,54.93 arc(12.17,55) 12.24,55.17 12.24,55.32 arc(12.31,55.49) 12.48,55.56 16.89,55.56 arc(17.61,55.86) 17.91,56.58 17.91,56.87 arc(18.05,57.23) 18.41,57.37 18.79,57.37 arc(19.15,57.23) 19.3,56.87 19.3,56.58 arc(19.6,55.86) 20.32,55.56 25.89,55.56 41.78,39.67 41.78,17.66 37.79,13.67 37.14,13.67 J11.9
/MIPI-HDMI-2/CAM_D1_P: length 73.7
  Top w0.26: J11.7 37.14,13.15 38,13.15 42.29,17.45 42.29,39.88 26.1,56.08 20.32,56.08 arc(19.96,56.22) 19.81,56.58 19.81,56.87 arc(19.51,57.59) 18.79,57.89 18.41,57.89 arc(17.69,57.59) 17.39,56.87 17.39,56.58 arc(17.24,56.22) 16.89,56.08 9.21,56.08 8.97,56.32 J2.6
/MIPI-HDMI-2/CAM_MCLK: length 81.1
  Top w0.381: J2.12 6.27,62.32 5.33,61.38 5.33,61.28 5.3,61.24 v1(5.3,48.56) ; J11.1 33.8,6.35 32.08,6.35 30.56,7.87 30.56,31.7 16.81,45.44 7.76,45.44 7.02,46.18 v1(5.31,46.18)
  Bottom w0.381: v1(5.31,46.18) 5.31,48.55 v1(5.3,48.56)
/MIPI-HDMI-2/CAM_SCL: length 66.5
  Top w0.381: v1(5.94,63.27) 5.99,63.32 J2.13 ; J11.15 37.45,17.45 38,18 38,28.93 17.12,49.81 v1(14.99,49.81)
  Bottom w0.381: v1(5.94,63.27) 5.94,52.63 8.79,49.78 14.96,49.78 v1(14.99,49.81)
/MIPI-HDMI-2/CAM_SDA: length 72.9
  Top w0.381: v1(5.79,64.33) 5.8,64.32 J2.14 ; v1(8.92,46.38) 16.78,46.38 31.24,31.92 31.24,16.03 32.18,15.09 33.81,15.09 34.72,16 34.72,17.56 35.19,18.03 J11.16
  Bottom w0.381: v1(5.79,64.33) 5.09,63.63 5.09,52.57 8.89,48.77 8.89,46.41 v1(8.92,46.38)
/MIPI-HDMI-2/PWR_DN_LS: length 87.6
  Top w0.381: v1(6.65,45.24) 7.11,44.78 16.48,44.78 29.92,31.34 29.92,7.47 31.7,5.69 38.43,5.69 39.47,6.73 39.47,8.08 37.97,9.58 37.97,10.16 37.61,10.52 J11.3 ; v1(7.59,48.67) 5.94,50.32 5.94,60.99 6.27,61.32 J2.11
  Bottom w0.381: v1(6.65,45.24) 7.59,46.18 v1(7.59,48.67)
/Power Supply/Q_S: length 8
  Top w0.381: R1.2 66.07,63.75 65.61,63.3 65.61,61.77 65.13,61.29 62.74,61.29 62.28,60.84 R3.1
/Power Supply/SW: length 2.8
  Top w0.381: 77.39,69.85 77.39,70.77 ; 77.39,69.85 77.39,68.88 ; 77.39,69.85 77.39,70.76
/Power Supply/V_IN: length 39.4
  Top w0.381: Q2.3 v1(75.69,49.91) ; R8.2 73.02,41.15 73.53,40.64 74.68,40.64 75.18,41.15 D2.1 75.18,43.05 76.45,44.32 76.45,46.61 v1(75.69,47.37) Q2.1 ; v1(72.34,48.64) 73.98,48.64 Q2.2 77.06,48.64 v1(77.09,48.62)
  Top w0.508: 73.79,59.56 74.98,59.56 76.43,61.01 82.2,61.01 C5.1 ; 73.79,59.56 C3.1 ; 73.79,59.56 U1.8
  vias: v1(91.06,71.88) v1(91.06,69.85) v1(91.06,67.82)
/UART2_RXD: length 33
  Top w0.381: J5.2 94.72,27.79 84.07,17.14 J8.2
/UART2_TXD: length 36.3
  Top w0.381: J8.3 81.53,16.64 95.22,30.33 J5.3
/V_BAT: length 53
  Top w0.381: R9.2 10.31,7.34 12.93,4.72 45.36,4.72 J9.1 ; v1(67.44,51.16) 67.46,51.18 Q2.5 ; Q2.7 67.46,48.64 v1(67.44,48.62) ; Q2.6 70.71,49.91 v1(70.74,49.94) ; v1(70.74,47.37) Q2.8 68.96,47.31 v1(68.96,46.18) C8.1
  Top w0.508: D3.2 v1(65.15,38.35)
/~{REC}: length 48.8
  Top w0.381: SW2.1 103.5,4.21 103.5,6.3 v1(92.81,16.99)
  Bottom w0.381: J5.6 102.84,37.95 92.81,27.91 v1(92.81,16.99)
/~{SYS_RESET}: length 40.6
  Bottom w0.381: SW1.1 93.85,4.21 93.85,26.92 99.8,32.87 J5.4
Net-(C6-Pad2): length 1.7
  Top w0.381: R6.2 C6.2
Net-(D2-A): length 14.4
  Top w0.381: 71.91,45.97 71.37,45.97 70.99,45.59 R7.2 ; 71.91,45.97 73.02,45.97 ; 71.91,45.97 71.91,47.83 71.48,48.26 71.48,49.07 72.09,49.68 72.09,50.57 72.69,51.18 Q2.4 ; 73.02,45.97 74.93,45.97 75.18,45.72 D2.2 ; 73.02,45.97 R8.1
Net-(D5A-Red-K): length 6.6
  Top w0.381: R9.1 4.98,7.34 4.7,7.06 4.7,4.83 4.95,4.57 D5.3 D5.1
Net-(Q1-G): length 5.8
  Top w0.508: 71.44,57.02 70.46,57.02 69.89,57.59 69.89,58.57 68.56,59.89 Q1.4
Net-(U1-COMP): length 8.2
  Top w0.381: U1.2 67.84,58.29 68.15,57.99 68.15,55.63 69.03,54.75 C7.1 C6.1
Net-(U1-FA/SD): length 5.5
  Top w0.254: R4.2 75.82,57.68 75.67,57.53 72.87,57.53 72.11,58.29 U1.7
Net-(U1-FB): length 8.3
  Top w0.305: R5.2 62.08,57.07 62.15,57 62.86,57 66.47,57 66.49,57.02
  Top w0.381: R2.1 60.55,58.4 61.04,57.91 R5.2
Net-(U1-I_{SEN}): length 4.2
  Top w0.381: C4.1 R3.2 65.02,59.72 65.18,59.56 U1.1
Net-(U2-SW): length 2
  Top w0.508: U2.1 L2.2

## Copper pours and planes (outline as drawn; the poured copper is in the pictures)
/3V3_CAN on In2.Cu: 57.61,0.33 57.61,20.65 99.06,58.52 99.01,78.56 109.93,78.66 109.93,0.33
/+18V_OUT on Top, In1.Cu: 67.54,76.96 36.04,76.96 32.79,70.97 24.97,70.97 24.97,60.5 44.81,43.21 59.06,50.93 59.06,66.19 67.54,66.19
/MIPI-HDMI-1/GND_MIPI on In1.Cu: 29.08,0 0.38,0.1 0.38,42.67 16.21,42.65 29.08,30.23
/MIPI-HDMI-1/GND_MIPI on In2.Cu: 0.38,0.05 0.38,42.93 15.88,42.93 25.78,33.53 25.78,0
/MIPI-HDMI-2/GND_MIPI on In1.Cu: 0.38,42.67 0.13,67.56 15.11,67.56 44.58,42.93 44.58,0 28.57,0 28.57,14.48 29.08,14.99 29.08,30.23 16.21,42.65
/MIPI-HDMI-2/GND_MIPI on In2.Cu: 25.78,0 25.78,33.53 15.88,42.93 0.38,42.93 0.13,67.56 15.11,67.56 44.83,42.93 44.83,0
GND on Bottom, In1.Cu, In2.Cu: 25.02,59.44 44.83,42.93 44.83,0 57.28,0 57.28,20.32 99.06,58.52 98.98,79.04 25.02,78.74
GND on In2.Cu: 60.99,65.79 60.99,52.27 78.56,52.25 83.08,54.76 83.19,60.6 63.22,60.66 63.22,65.84
GNDD on In1.Cu: 57.28,0 57.28,20.32 99.06,58.52 98.93,78.23 109.83,78.33 109.86,0
/Power Supply/Q_S on Top: 66.47,65.43 68.96,65.43 68.96,62.03 66.47,62.03
/Power Supply/SW on Top: 69.52,60.81 69.57,65.28 69.57,76.96 74.35,76.96 78.97,72.39 78.97,66.07 74.85,60.76
/Power Supply/V_IN on Top, In1.Cu: 71.96,51.82 78.36,51.88 78.36,60.9 79.43,66.07 79.43,72.39 90.63,72.64 92.53,72.64 98.93,71.12 99.14,58.72 78,39.37 71.96,39.37
/RTN on In1.Cu, In2.Cu: 109.86,0 78.87,0 78.87,19.05 99.69,40.64 109.6,40.64
/V_BAT on Top, In1.Cu: 45.34,0 45.08,42.93 60.83,51.82 71.5,51.82 71.5,45.72 67.69,45.72 67.67,30.35 57.33,20.9 57.28,0

## Text on the board
Bottom: ${LAYER} | 4
B.Fab: ${LAYER}
B.Mask: ${LAYER}
B.Paste: ${LAYER}
B.Silkscreen: ${LAYER}
User.Comments: ${LAYER}
User.Drawings: ${LAYER}
Top: ${LAYER} | 1
F.Fab: ${LAYER}
F.Mask: ${LAYER}
F.Paste: ${LAYER}
F.Silkscreen: 6-~{REC} / 5-GND / 4-RESET / 3-TXD / 2-RXD / 1-GND | 4-CAN RX / 3-CAN TX / 2-3V3 / 1-GND | 3-TXD / 2-RXD / 1-GND | 5-18V / 12A MAX | 2-CAN H / 1-CAN L | 18V / 3A | GND | 18V | VBAT INPUT | MIPI / 1 | MIPI / 2 | VBAT | MIPI 2 | MIPI 1 | NX-J401 / Adapter V3 / 2024 | ${LAYER}
In1.Cu: ${LAYER} | 2
In2.Cu: ${LAYER} | 3
User.1: H | T | W | D | F.Silkscreen | F.Paste | F.Mask | F.Cu | Dielectric | In1.Cu | In2.Cu | B.Cu | B.Mask | B.Paste | B.Silkscreen | Top Silk Screen | Top Solder Paste | Top Solder Mask | copper | prepreg | core | Bottom Solder Mask | Bottom Solder Paste | Bottom Silk Screen | Not specified | 3313 | 1.1mm H/HOZ | 0 mm | 0.01 mm | 0.035052 mm | 0.106934 mm | 0.099314 mm | 0.01524 mm | 1.065 mm | White | Green | FR4 natural | 1 | 3.3 | 4.5 | 0 | 0.02 | Copper Layer Count: | Board overall dimensions: | Min track/spacing: | Copper Finish: | Castellated pads: | Edge card connectors: | 4 | 109.8550 mm x 78.9940 mm | 0.2540 mm / 0.1963 mm | ENIG | No | Board Thickness: | Min hole diameter: | Impedance Control: | Plated Board Edge: | 1.5981 mm | 0.3000 mm | Yes | Layer Name | Type | Material | Thickness (mm) | Color | Epsilon R | Loss Tangent | ${LAYER} | 1. Layers: 4 / 2. PCB Thickness: 1.6 mm / 3. PCB Color: GREEN / 4. Material Type: FR-4 TG155 / 5. Surface Finish: ENIG 1 um / 6. Outer Copper Weight: 1 oz / 7. Inner Copper Weight: 0.5 oz / 8. Impedance Control: YES / 9. Layer Stackup: JLC04161H-3313A / 10. Via Covering: Plugged / 11. Min Via Hole Size / Diameter: / 0.406 mm / 0.81 mm / 12. Board Outline Tolerance: +/- 0.2 mm / 13. Silk Screen: INK-JET/SCREEN PRINTING / 14. Stencil Framwork: YES / 15. Top+Bottom on single stencil / 16. Sencil Polishing: Electropolishing / 17. Fiducials: Etched Through / 18. Engrave Text / 19. Impedance controlled differential pair / traces are 10.22 mil. / 20. Differential pair impedance shall be / 100 ohm +/-10% | BOARD CHARACTERISTICS | NOTES: | Param | Size / --------------------------------------------------- / Z   | 100 ohm / D   | 10 mil / W   | 10.22 mil / T   | 1.38 mil / H   | 8.12 mil (2x3313 57% 4.2 mil) / JLCPCB: JLC04161H-3313A | Impedance Controlled Stackup / Differential Non-coplaner Waveguide with Ground Plane
User.2: ${LAYER} | FRONT
